# Altium PCB 105358-3LA001-03_FP1.PcbDoc (part 1 of 2)
Units mm, origin at the board's own origin, x right, y up, seen from the top; angles counter-clockwise.
Board outline 33.6 x 14.2 mm, 6 copper layers (Component Side, Inner Layer 1, Ground Plane (GND), Power Plane (VCC), Inner Layer 2, Solder Side), stack 1.016 mm thick; 87 components, 54 nets, 303 pads, 116 vias.
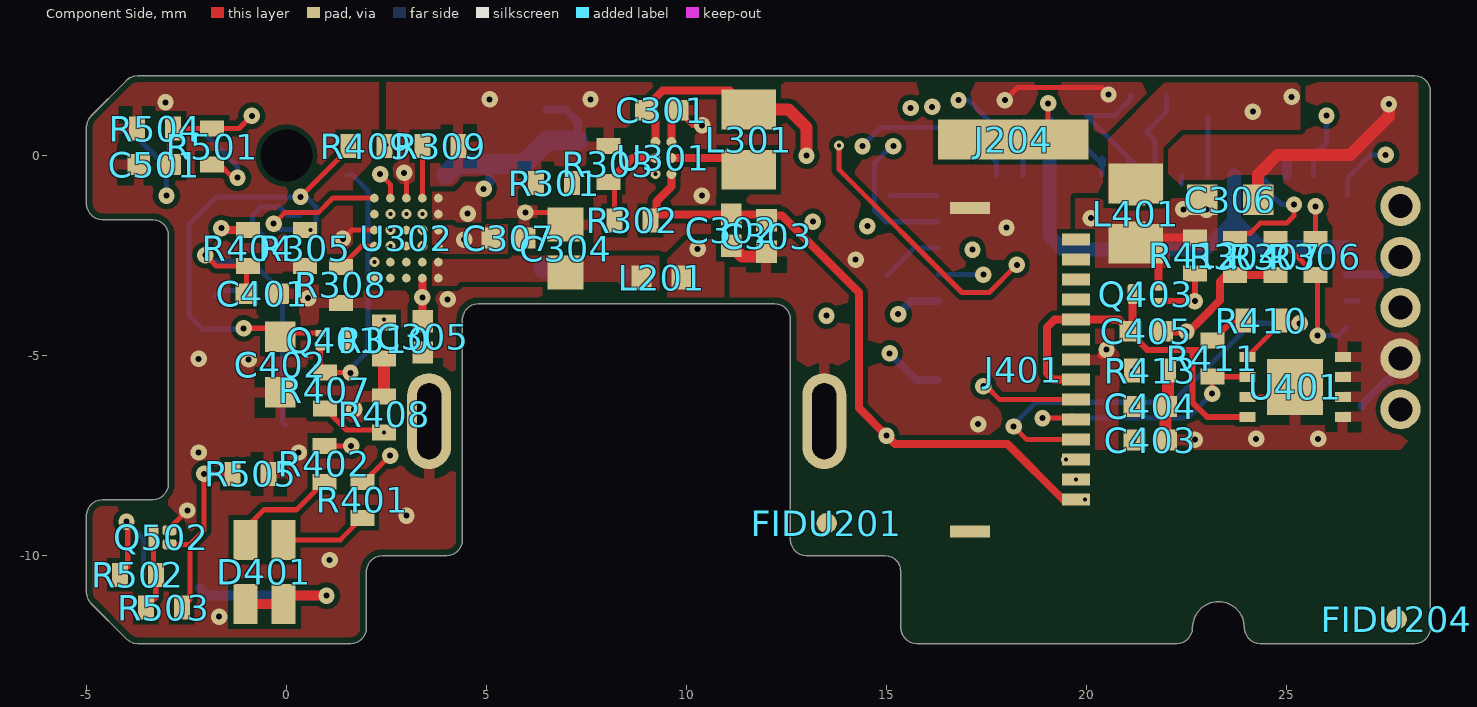
[diagram p0: Component Side view]
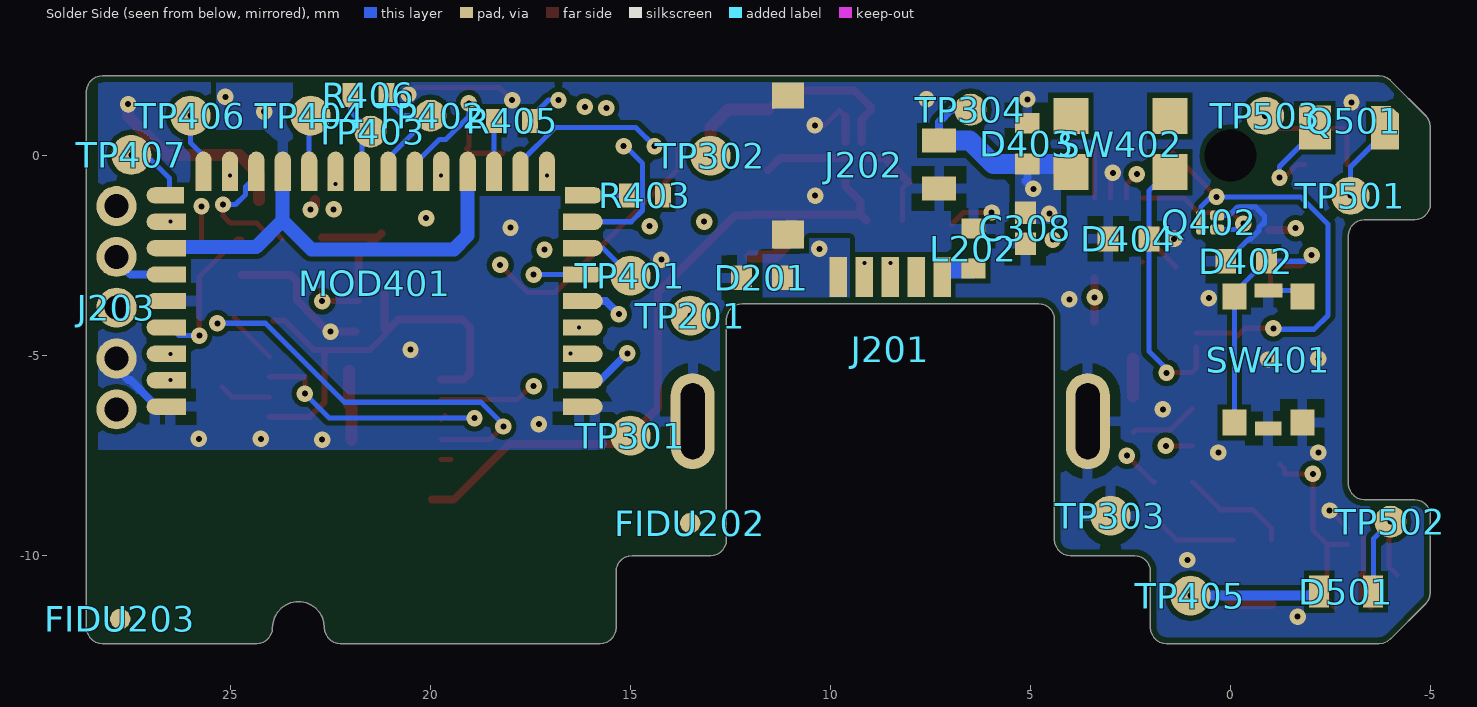
[diagram p1: Solder Side view, seen from below]
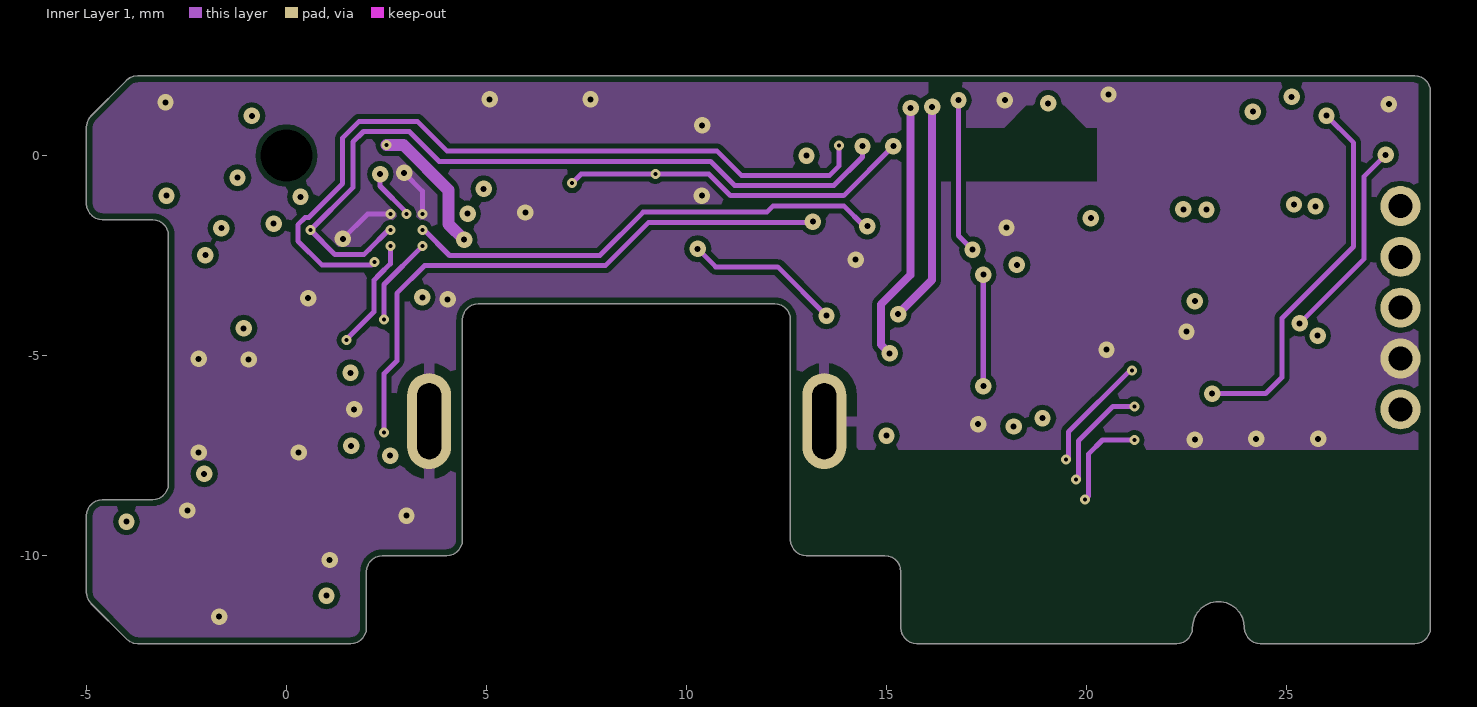
[diagram p2: Inner Layer 1]
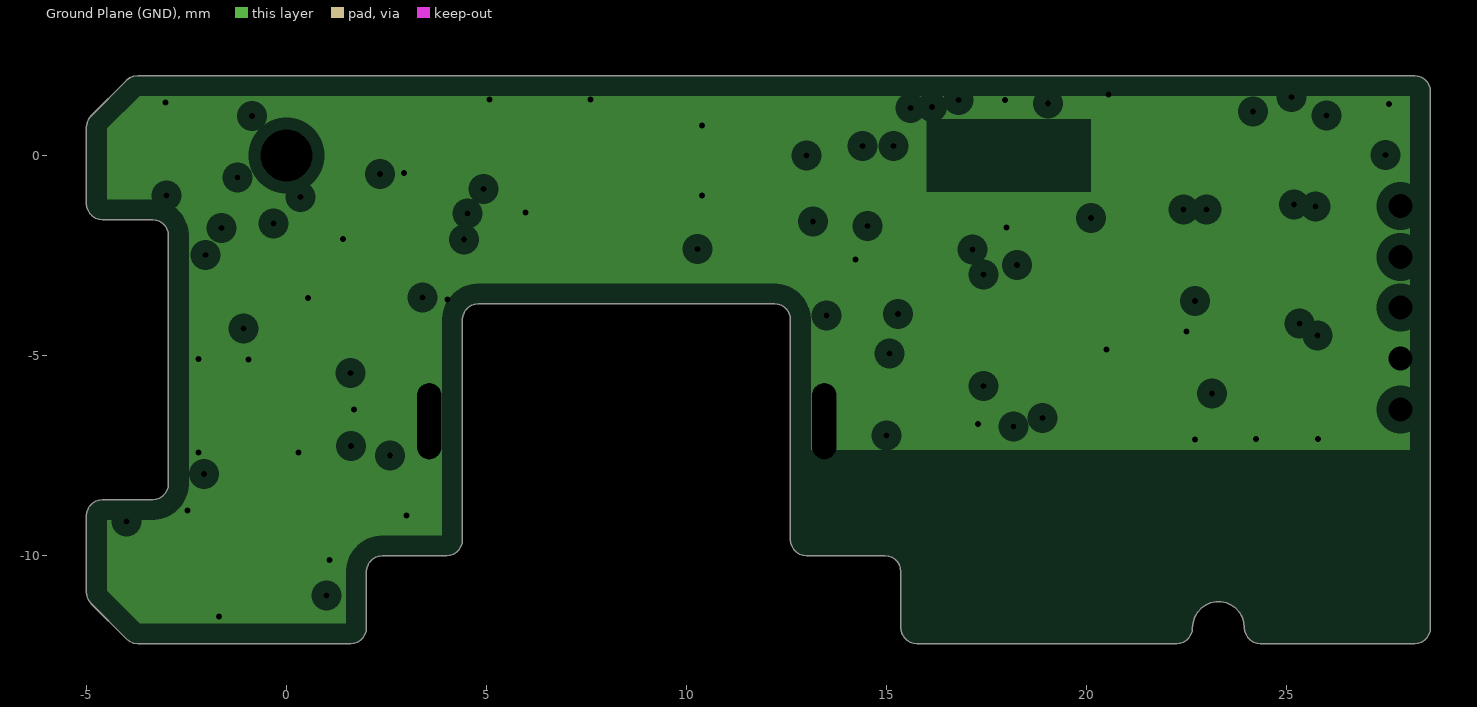
[diagram p3: Ground Plane (GND), clearances drawn from the general rule]
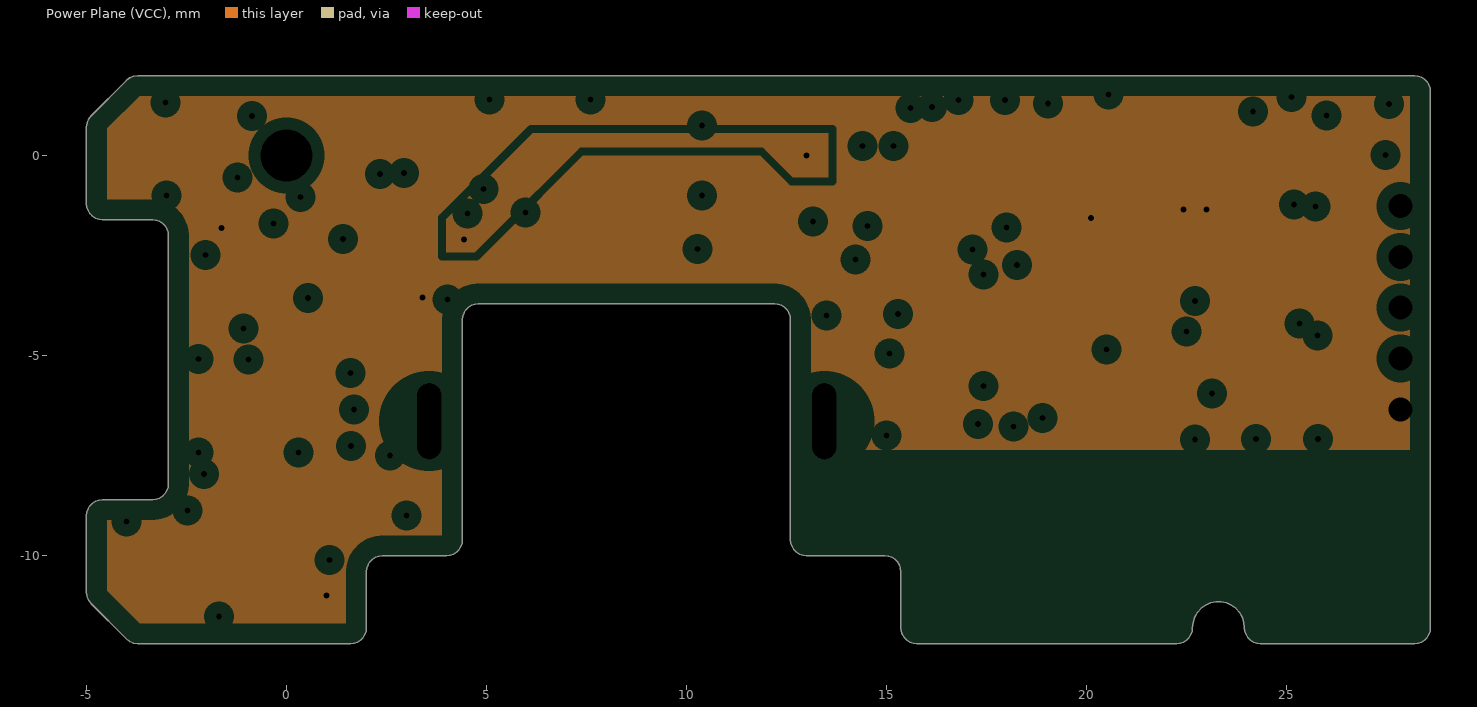
[diagram p4: Power Plane (VCC), clearances drawn from the general rule]
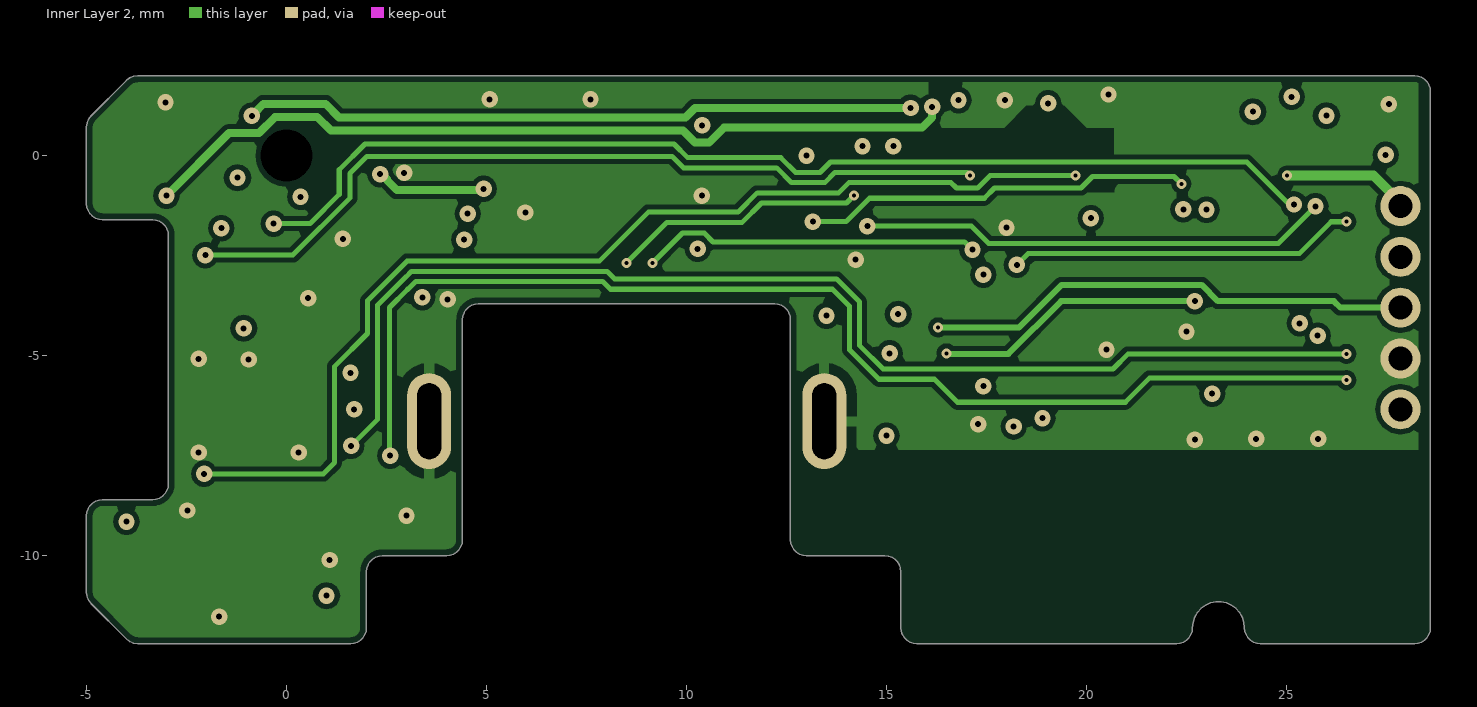
[diagram p5: Inner Layer 2]
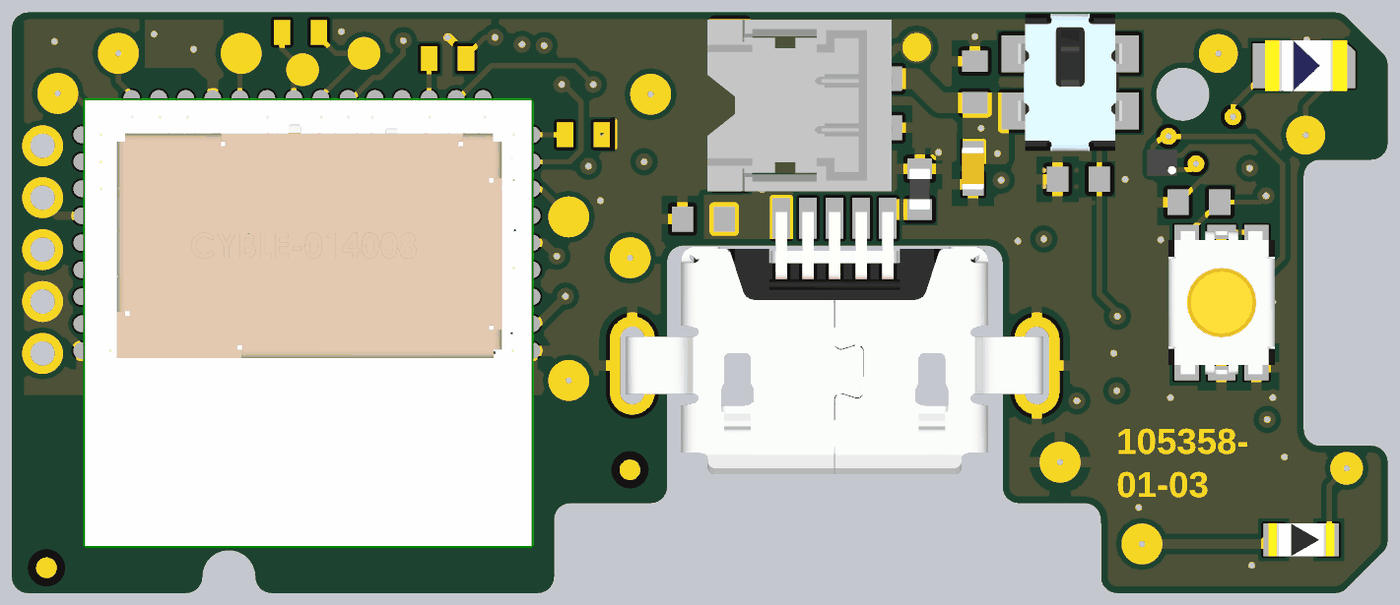
[diagram p7: 3D render of the assembled board from below, using the file's embedded part models]

## Layer stack, top to bottom
Top Solder: solder mask 0.0152, Solder Resist, Dk 4
Component Side: signal copper 0.0432
Dielectric 1: prepreg 0.0508, FR-4, Dk 4.2
Inner Layer 1: signal copper 0.0356
Dielectric 3: prepreg 0.0889, FR-4, Dk 4.2
Ground Plane (GND): plane copper 0.0356, net GND
Dielectric 6: core 0.508, FR-4, Dk 4.2
Power Plane (VCC): plane copper 0.0356, net (Multiple Nets)
Dielectric 5: prepreg 0.0889, FR-4, Dk 4.2
Inner Layer 2: signal copper 0.0356
Dielectric 4: prepreg 0.0508, FR-4, Dk 4.2
Solder Side: signal copper 0.0432
Bottom Solder: solder mask 0.0152, Solder Resist, Dk 4

## Board outline
28.6,-11.8 28.6,1.6 28.59,1.689 28.561,1.774 28.513,1.85 28.45,1.913 28.374,1.961 28.289,1.99 28.2,2 -3.717,2 -3.821,1.987 -3.917,1.947 -4,1.883 -4.883,1 -4.946,0.917 -4.986,0.821 -5,0.717 -5,-1.2 -4.99,-1.289 -4.96,-1.373 -4.913,-1.449 -4.849,-1.512 -4.773,-1.56 -4.689,-1.59 -4.6,-1.6 -3.35,-1.6 -3.261,-1.61 -3.176,-1.639 -3.1,-1.687 -3.037,-1.75 -2.989,-1.826 -2.96,-1.911 -2.95,-2 -2.95,-8.2 -2.96,-8.289 -2.989,-8.373 -3.037,-8.449 -3.1,-8.512 -3.176,-8.56 -3.261,-8.59 -3.35,-8.6 -4.6,-8.6 -4.689,-8.61 -4.773,-8.639 -4.849,-8.687 -4.913,-8.75 -4.96,-8.826 -4.99,-8.911 -5,-9 -5,-10.917 -4.986,-11.02 -4.946,-11.117 -4.883,-11.2 -4,-12.083 -3.917,-12.146 -3.821,-12.186 -3.717,-12.2 1.6,-12.2 1.689,-12.19 1.774,-12.16 1.85,-12.113 1.913,-12.049 1.961,-11.973 1.99,-11.889 2,-11.8 2,-10.4 2.01,-10.311 2.04,-10.226 2.087,-10.15 2.151,-10.087 2.227,-10.039 2.311,-10.01 2.4,-10 4,-10 4.089,-9.99 4.174,-9.96 4.25,-9.913 4.313,-9.849 4.361,-9.773 4.39,-9.689 4.4,-9.6 4.4,-4.1 4.41,-4.011 4.44,-3.926 4.487,-3.85 4.551,-3.787 4.627,-3.739 4.711,-3.71 4.8,-3.7 12.2,-3.7 12.289,-3.71 12.374,-3.739 12.45,-3.787 12.513,-3.85 12.561,-3.926 12.59,-4.011 12.6,-4.1 12.6,-9.6 12.61,-9.689 12.64,-9.773 12.687,-9.849 12.751,-9.913 12.827,-9.96 12.911,-9.99 13,-10 14.96,-10 15.049,-10.01 15.134,-10.039 15.21,-10.087 15.273,-10.15 15.321,-10.226 15.35,-10.311 15.36,-10.4 15.36,-11.8 15.37,-11.889 15.4,-11.973 15.447,-12.049 15.511,-12.113 15.587,-12.16 15.671,-12.19 15.76,-12.2 22.25,-12.2 22.339,-12.19 22.424,-12.16 22.5,-12.113 22.563,-12.049 22.611,-11.973 22.64,-11.889 22.65,-11.8 22.664,-11.665 22.706,-11.535 22.774,-11.418 22.865,-11.317 22.975,-11.237 23.099,-11.182 23.232,-11.153 23.368,-11.153 23.501,-11.182 23.625,-11.237 23.735,-11.317 23.826,-11.418 23.894,-11.535 23.936,-11.665 23.95,-11.8 23.96,-11.889 23.99,-11.973 24.037,-12.049 24.101,-12.113 24.177,-12.16 24.261,-12.19 24.35,-12.2 28.2,-12.2 28.289,-12.19 28.374,-12.16 28.45,-12.113 28.513,-12.049 28.561,-11.973 28.59,-11.889

## Design rules (kind name [scope] priority, off if disabled: settings)
AcuteAngle [All] p1: minimum=6.00000000000000E+0001 checktracksonly=FALSE
AssemblyTestpoint [(IsPad And (OnTopLayer Or OnBottomLayer)) Or (IsVia) Or (IsPad And OnMultiLayer)] p1: testpointundercomponent=TRUE minsize=0.8 maxsize=2.5 preferedsize=1 minholesize=0 maxholesize=2 preferedholesize=0.7 testpointgrid=0.025 usegrid=FALSE gridtolerance=0 allowsidebottom=TRUE minspacing=2.54
BoardOutlineClearance [All] p1: gap=0.15 ignorepadtopadclearanceinfootprint=FALSE
Clearance Clearance_FIDU [InComponentClass('FIDU')] p1: gap=0.2 ignorepadtopadclearanceinfootprint=FALSE except(0: Arc-Hole Track-Hole SMDPad-Hole THPad-Hole Via-Hole Fill-Hole Poly-Hole Region-Hole Text-Hole)
Clearance TRX_LINE_CLEARENCE [InNetClass('RF_50_Ohm')] p2: gap=0.4 ignorepadtopadclearanceinfootprint=FALSE except(0: Arc-Hole Track-Hole SMDPad-Hole THPad-Hole Via-Hole Fill-Hole Poly-Hole Region-Hole Text-Hole)
Clearance Clearance_4 [All] p3: gap=0.127 ignorepadtopadclearanceinfootprint=FALSE // All - All
Clearance Clearance_2 [InNetClass('Primary') vs InNetClass('Primary') or InNet('GND')] p4: gap=2.5 ignorepadtopadclearanceinfootprint=FALSE except(0: Arc-Hole Track-Hole SMDPad-Hole THPad-Hole Via-Hole Fill-Hole Poly-Hole Region-Hole Text-Hole) // Primary - Primary
Clearance Clearance_1 [OnLayer('Mid-Layer 1') or OnLayer('Multi-Layer') vs OnLayer('Mid-Layer 1')] p5: gap=0.4 ignorepadtopadclearanceinfootprint=FALSE except(0: Arc-Hole Track-Hole SMDPad-Hole THPad-Hole Via-Hole Fill-Hole Poly-Hole Region-Hole Text-Hole) // Inner Layers
Clearance Clearance_TP [InComponentClass('TP')] p6: gap=0.127 ignorepadtopadclearanceinfootprint=FALSE except(0: Arc-Hole Track-Hole SMDPad-Hole THPad-Hole Via-Hole Fill-Hole Poly-Hole Region-Hole Text-Hole; 0.2: Arc-Arc Arc-Track Arc-SMDPad Arc-THPad Arc-Via Arc-Fill Arc-Poly Arc-Region Track-Track Track-SMDPad Track-THPad Track-Via Track-Fill Track-Poly Track-Region THPad-THPad THPad-Via THPad-Fill THPad-Poly THPad-Region)
ComponentClearance [ALL and not( ( InComponentClass('NET_TIE') or InComponentClass('TP'))OR InComponentClass('FIDU')or InComponentClass('3D_IGNORE')or InComponent('D401'))] p1: gap=0.15 collisioncheckmode=3 verticalgap=0.1 showdistances=TRUE
DiffPairsRouting [All] p1: maxlimit=0.254 minlimit=0.2 mostfreqgap=0.2 toplayer_minwidth=0.127 toplayer_maxwidth=0.381 toplayer_prefwidth=0.2 midlayer1_minwidth=0.127 midlayer1_maxwidth=0.381 midlayer1_prefwidth=0.2 midlayer2_minwidth=0.127 midlayer2_maxwidth=0.381 midlayer2_prefwidth=0.2 bottomlayer_minwidth=0.127 bottomlayer_maxwidth=0.381 bottomlayer_prefwidth=0.2 maxuncoupledlength=12.7
FabricationTestPointUsage TestPointUsage [All] p1: valid=0 allowmultiple=FALSE
FabricationTestpoint Testpoint [(IsPad And (OnTopLayer Or OnBottomLayer)) Or (IsVia) Or (IsPad And OnMultiLayer)] p1: side=2 testpointundercomponent=TRUE minsize=0.8 maxsize=2.5 preferedsize=1 minholesize=0 maxholesize=2 preferedholesize=0.7 testpointgrid=2.54 allowsidebottom=TRUE usegrid=TRUE gridoriginx=109.725 gridoriginy=79.23 gridtolerance=0 minspacing=2.54
FanoutControl Fanout_Default [All] p1: bgadir=Out bgaviamode=Centered fanoutstyle=Auto fanoutdirection=Alternating viagrid=0.025 // Fanout_Default (Default Rule)
FanoutControl Fanout_Small [(CompPinCount < 5)] p2: bgadir=Out bgaviamode=Centered fanoutstyle=Auto fanoutdirection=OutThenIn viagrid=0.025 // Fanout_Small (Default Rule)
FanoutControl Fanout_LCC [IsLCC] p4: bgadir=Out bgaviamode=Centered fanoutstyle=Auto fanoutdirection=Alternating viagrid=0.025 // Fanout_LCC (Default Rule)
FanoutControl Fanout_BGA [IsBGA] p5: bgadir=Out bgaviamode=Centered fanoutstyle=Auto fanoutdirection=Alternating viagrid=0.025 // Fanout_BGA (Default Rule)
HoleSize [All] p1: absolutevalues=TRUE maxlimit=3.5 minlimit=0.1 maxpercent=80.000 minpercent=20.000
HoleToHoleClearance [All] p1: gap=0.127 allowstackedmicrovias=TRUE
MinimumAnnularRing MinimumAnnularRing_Uvia1 [InDrillLayerPair('Component Side - Inner Layer 1')] p1: minimumring=0.074
MinimumAnnularRing MinimumAnnularRing_Uvia2 [InDrillLayerPair('Inner Layer 2 - Solder Side')] p2: minimumring=0.074
MinimumAnnularRing MinimumAnnularRing_2 [isPad] p3: minimumring=0.2
MinimumAnnularRing MinimumAnnularRing_1 [isVia] p4: minimumring=0.125
MinimumSolderMaskSliver [All] p1: minsoldermaskwidth=0.06
MinimumSolderMaskSliver SilkscreenOverComponentPads [IsPad] p2: minsoldermaskwidth=0.075
PlaneClearance [All] p1: clearance=0.3
PlaneConnect PlaneConnect_VIA [isVia or HasFootprint('PAD PROGRAMMING')] p1: planeconnectstyle=Direct reliefexpansion=0.508 reliefentries=4 reliefconductorwidth=0.254 reliefairgap=0.254
PlaneConnect [All] p2: planeconnectstyle=Relief reliefexpansion=0.508 reliefentries=4 reliefconductorwidth=0.254 reliefairgap=0.254
PolygonConnect PolygonConnect_VIA [IsVia] p1: connectstyle=Direct reliefconductorwidth=0.254 reliefentries=4 polygonreliefangle="90 Angle" airgapwidth=0.254
PolygonConnect PolygonConnect_NO-Thermal [All vs IsNamedPolygon('SS-5V_USB_In2') or IsNamedPolygon('SS-NetC08_2') or IsNamedPolygon('CS-VCC_SYS_CAP')or IsNamedPolygon('CS-NetC308_2')or IsNamedPolygon('CS-5V_in') or IsNamedPolygon('CS-5V_IN_2')  or IsNamedPolygon('CS_BLE_VDD4') or IsNamedPolygon('SS-5V_USB_In2')or IsNamedPolygon('CS-3V_MCU_IN')or  IsNamedPolygon('SS-GND_FOOT1') or IsNamedPolygon('CS-GND_FOOT1')] p2: connectstyle=Direct reliefconductorwidth=0.254 reliefentries=4 polygonreliefangle="90 Angle" airgapwidth=0.254
PolygonConnect NET_TIE [InComponentClass('NET_TIE')] p3: connectstyle=Direct reliefconductorwidth=0.254 reliefentries=4 polygonreliefangle="90 Angle" airgapwidth=0.254
PolygonConnect PolygonConnect_TP_I [HasFootprint('TESTPOINT_C_R0608')or HasFootprint('TESTPOINT_C_R0402')OR HasFootprint('PAD PROGRAMMING')] p4: connectstyle=Direct reliefconductorwidth=0.254 reliefentries=4 polygonreliefangle="90 Angle" airgapwidth=0.254
PolygonConnect [All] p5: connectstyle=Relief reliefconductorwidth=0.254 reliefentries=4 polygonreliefangle="90 Angle" airgapwidth=0.254
RoutingVias [((StartLayer = 'Component Side') and (StopLayer = 'Solder Side' )) or ((StartLayer = 'Solder Side') and (StopLayer = 'Component Side' ))] p1: holewidth=0.15 width=0.401 viastyle="Through Hole" minholewidth=0.15 minwidth=0.41 maxholewidth=0.2 maxwidth=0.61
RoutingVias Microvia [((StartLayer = 'Component Side') and (StopLayer = 'Inner Layer 1' )) or  ((StartLayer = 'Inner Layer 2'  ) and (StopLayer = 'Solder Side')) or ((StartLayer = 'Inner Layer 1') and (StopLayer = 'Component Side'  )) or ((StartLayer = 'Solder Side' ) and (StopLayer = 'Inner Layer 2'))] p2: holewidth=0.1 width=0.31 viastyle="Through Hole" minholewidth=0.1 minwidth=0.25 maxholewidth=0.15 maxwidth=0.45
RoutingVias BuriedVia [((StartLayer = 'Inner Layer 1') and (StopLayer = 'Inner Layer 2' )) or  ((StartLayer = 'Inner Layer 2') and (StopLayer = 'Inner Layer 1' ))] p3: holewidth=0.15 width=0.401 viastyle="Through Hole" minholewidth=0.15 minwidth=0.401 maxholewidth=0.2 maxwidth=0.61
SilkToSilkClearance [All] p1: silktosilkclearance=0
SilkToSolderMaskClearance SilkscreenOverComponentPads_1 [IsPad] p1: minsilkscreentomaskgap=0 clearancetoexposedcopper=TRUE
SolderMaskExpansion SolderMaskExpansion_2 [All] p1: expansion=0.1